# Altium PCB pcb.PcbDoc (part 2 of 4) (continued)
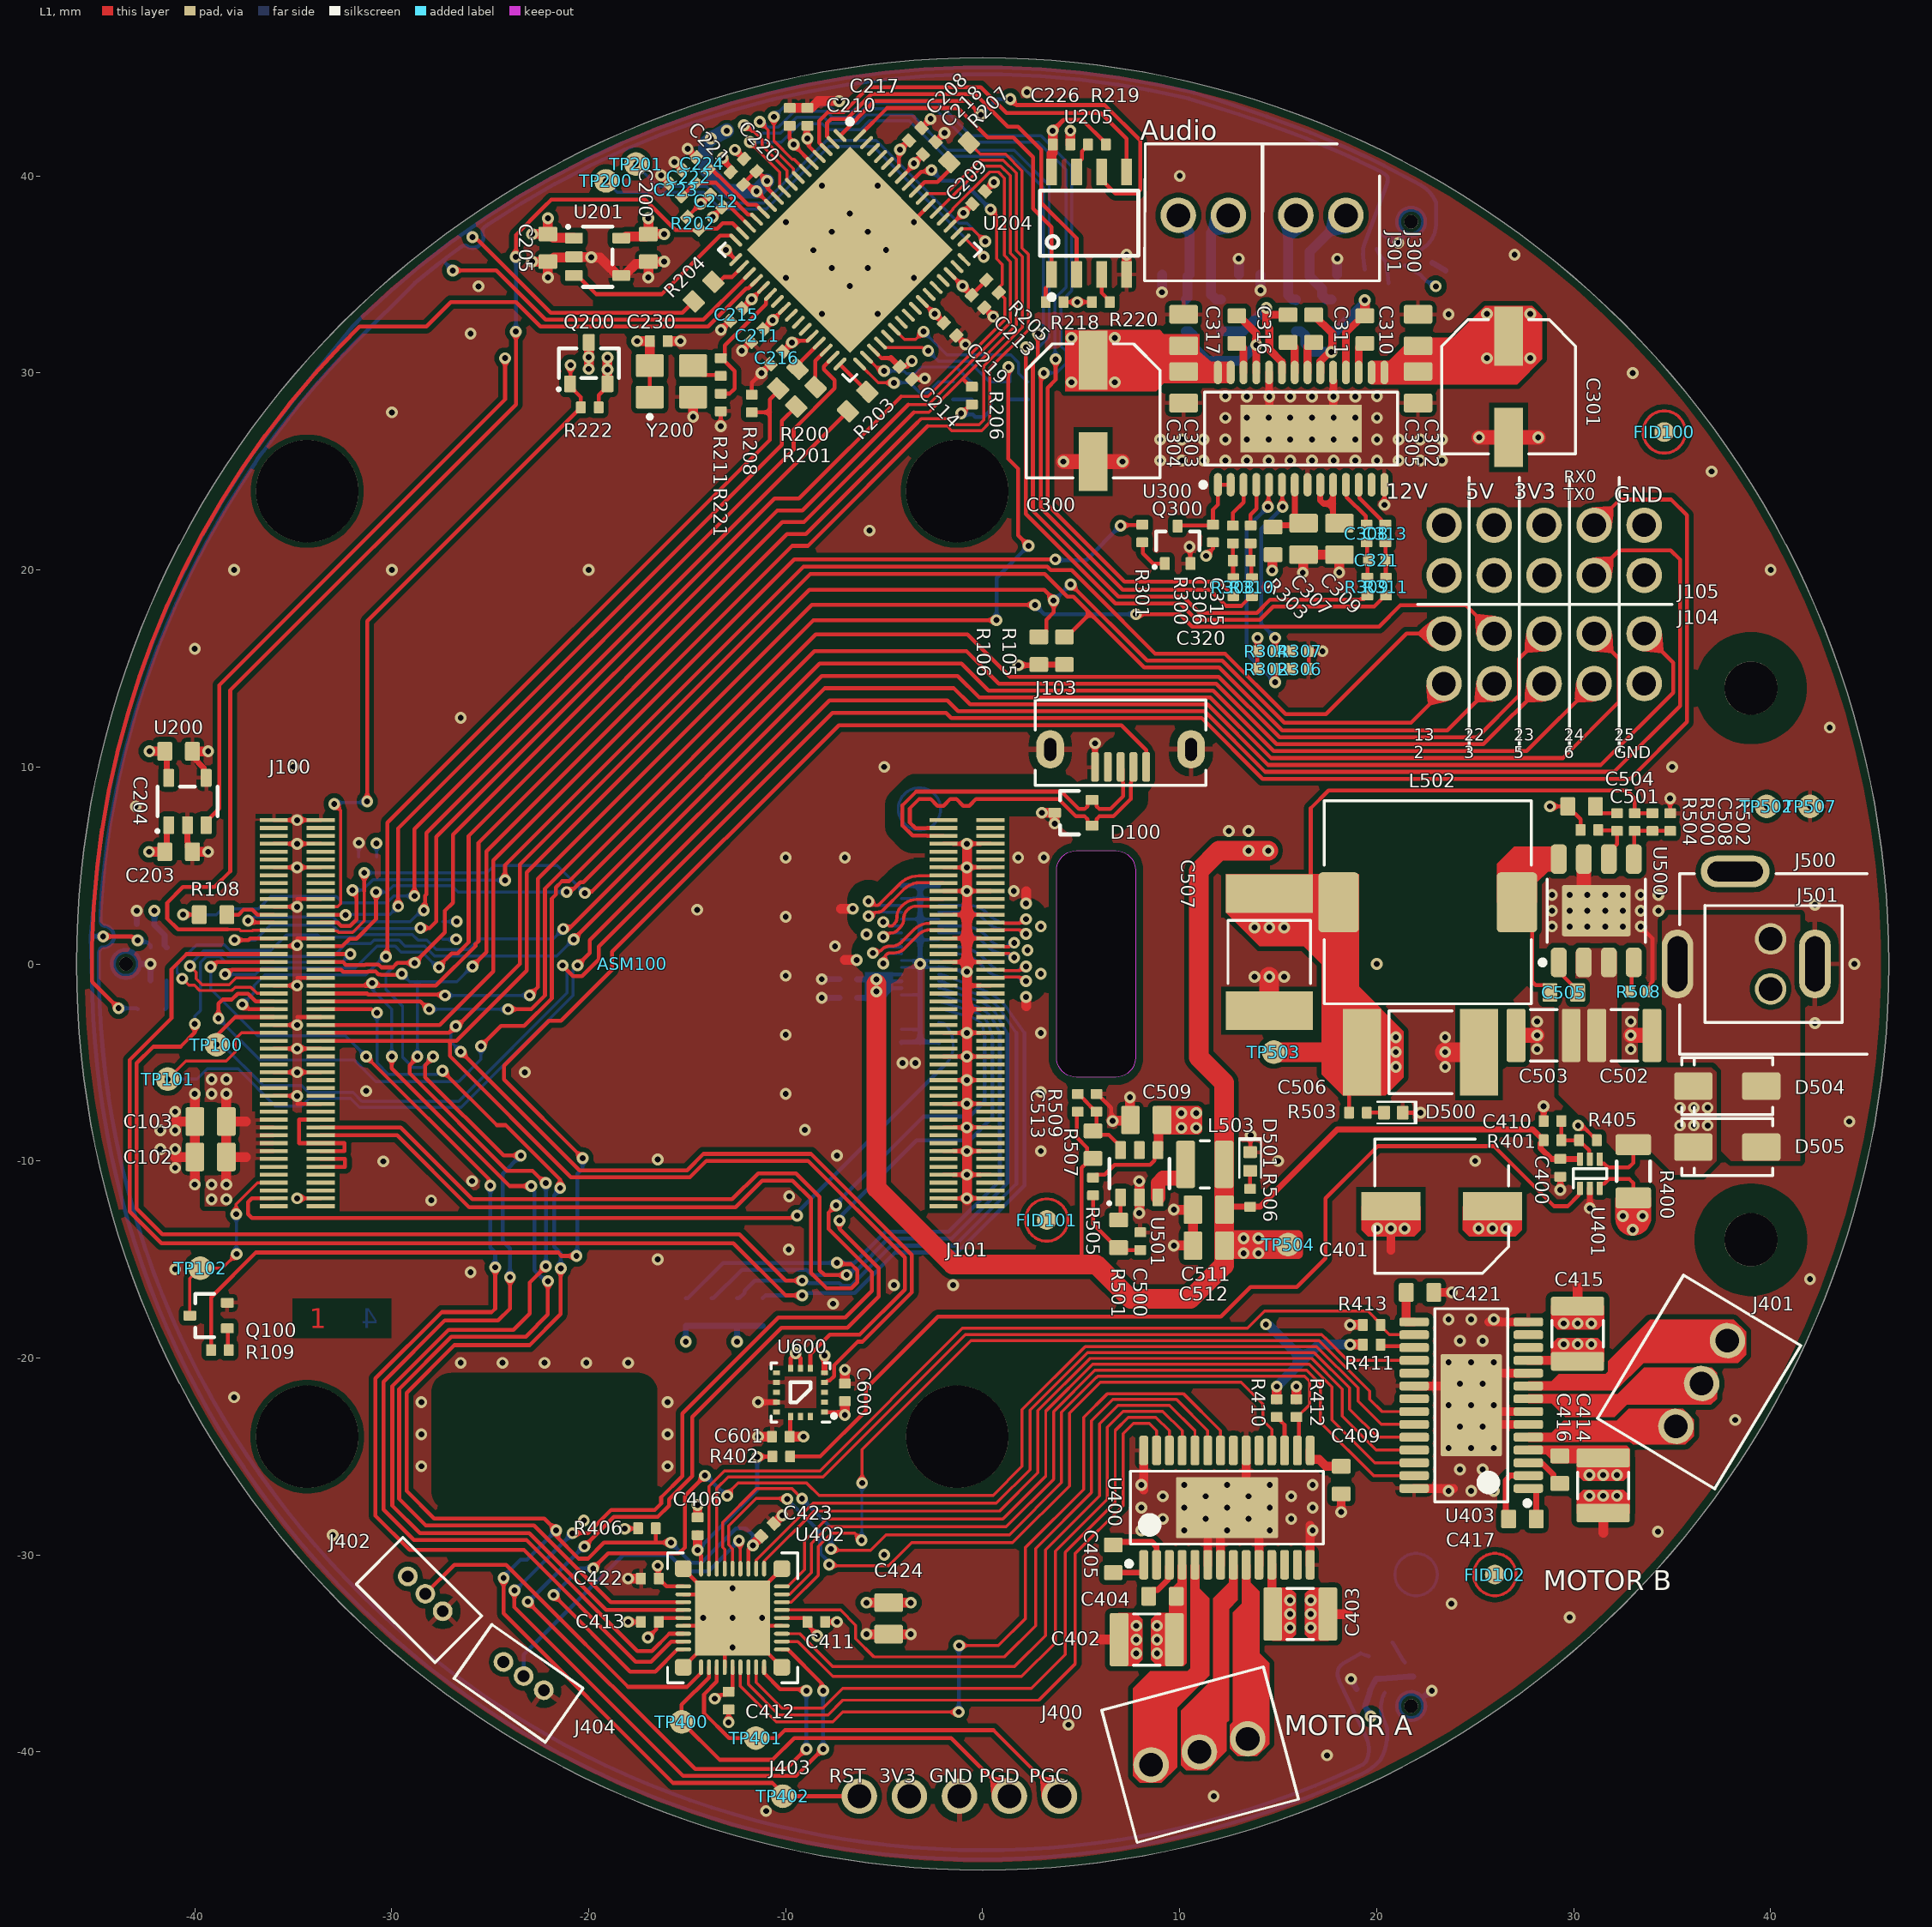
[diagram p0: L1 view]
## Nets (pads, with @x,y where several pads share a name; then routed paths per layer and width w, separated by ;. In a path a pad name is that pad's centre, name@x,y a point inside that pad or via, vN(x,y) a via of type N, cw(c..) or ccw(c..) an arc to the next point about the centre after c; other vN are vias at no path point) (continued)
AUDIO_DSP_I2S1_DI: R108.1 U204.31 | length 49.8
  L1 w0.2: v1(-40.6,2.5) R108.1@-39.775,2.5 ; v1(-28.85,3.45) -28.85,6.853 -9.6,26.103 -9.6,27.139 -7.524,29.214 -7.524,29.641 -8.059,30.176 -8.059,30.341 U204.31@-7.595,30.805
  L4 w0.15: v1(-40.6,2.5) -38.907,2.5 -38.607,2.8 -36.765,2.8 -36.14,3.425 -32.826,3.425 -32.501,3.1 -30.242,3.1 -29.892,3.45 v1(-28.85,3.45)
AUDIO_DSP_IO0: R209.1 U204.33 | length 5.6
  L1 w0.15: U204.33@-6.251,30.452 -5.3,29.5 v1(-4.5,29.5)
  L4 w0.15: v1(-4.5,29.5) -3.7,29.5 -3.201,29.001 -2.799,29.001 -2.25,29.55 R209.1@-1.501,29.55
AUDIO_DSP_IO1: R214.1 U204.34 | length 6.2
  L1 w0.15: U204.34@-5.898,30.805 -5.278,30.185 -5.088,30.185 v1(-5.002,30.099)
  L4 w0.15: v1(-5.002,30.099) -3.999,30.099 -3.857,29.957 -3.443,29.957 -3.1,30.3 -1.35,30.3 -0.6,29.55 R214.1@-0.55,29.55
AUDIO_DSP_IO4: R217.1 U204.38 | length 8.5
  L1 w0.15: U204.38@-4.484,32.219 -3.964,31.7 -3.4,31.7 v1(-3,32.1)
  L4 w0.15: v1(-3,32.1) -1.817,30.917 1.426,30.917 1.825,30.517 1.825,29.976 2.251,29.55 R217.1@2.301,29.55
AUDIO_DSP_PDM_CLK: MIC200.4 MIC201.4 MIC202.4 R204.1 | length 211.6
  L1 w0.2: v1(-44.656,1.394) -43.202,1.394 -43.008,1.2 v1(-42.9,1.2) ; v1(-25.9,36.9) -25.792,36.9 -25.628,36.737 -25.615,36.737 -21.928,33.05 -15.25,33.05 R204.1@-14.666,33.634
  L4 w0.2: v1(-44.656,1.394) -45.286,1.4 ; v1(-42.9,1.2) -42.792,1.2 -42.691,1.1 -42.409,1.1 -42.248,0.939 MIC201.4@-42.248,0.837 ; -30.003,34.221 ccw(c-29.81,33.991) -30.012,34.213 -31.467,32.88 ccw(c-31.264,32.659) -31.475,32.871 -31.97,32.377 ccw(c-31.757,32.166) -31.987,32.358 ccw(c73.03,-55.205) -36.081,27.201 -36.972,26.021 ccw(c-34.3,24) -37.057,25.903 -37.325,25.515 -38.141,24.233 ccw(c0.038,-0.078) -45.026,4.161 -45.286,1.4 ; -30.002,34.221 -28.491,35.489 cw(c-28.298,35.259) -28.481,35.497 -26.916,36.698 cw(c-26.734,36.46) -26.906,36.706 -26.176,37.217 -25.29,37.837 cw(c-25.118,37.591) -25.279,37.845 -23.618,38.903 cw(c-23.456,38.65) -23.612,38.906 -23.607,38.909 cw(c-23.452,38.653) -23.602,38.912 -21.895,39.898 cw(c-21.746,39.638) -21.884,39.904 -20.135,40.814 cw(c-19.996,40.548) -20.123,40.82 -18.335,41.654 cw(c-18.208,41.382) -18.323,41.659 -16.743,42.314 -16.495,42.416 -14.629,43.096 -12.735,43.693 -10.817,44.207 -9.994,44.389 -8.879,44.636 -6.923,44.981 -4.955,45.24 -4.948,45.241 -2.977,45.413 -0.993,45.5 0.993,45.5 2.977,45.413 4.955,45.24 6.923,44.981 8.473,44.708 8.879,44.636 10.687,44.235 cw(c-17.617,-48.646) 10.698,44.232 cw(c-17.617,-48.646) 15.663,42.571 cw(c0,0) 20.368,40.531 cw(c19.702,39.211) 20.397,40.516 22.25,39.529 cw(c21.397,38.018) 22.929,38.833 22.931,38.829 ; -26.171,37.21 -25.9,36.939 v1(-25.9,36.9) ; MIC202.4@20.399,-37.006 20.332,-37.161 ccw(c21.698,-37.749) 20.4,-38.473 ; 20.401,-38.474 cw(c19.477,-38.998) 20.528,-38.847 20.529,-38.858 cw(c17.95,-39.107) 20.187,-40.414 cw(c17.991,-38.463) 18.969,-41.233 18.968,-41.234 ccw(c19.069,-41.516) 18.943,-41.244 cw(c-0.109,-0.357) -45.198,-1.653 -45.198,-1.652 ccw(c-45.498,-1.657) -45.198,-1.649 -45.286,1.4 ; MIC200.4@21.846,36.171 22.154,36.179 22.451,36.405 ccw(c21.587,37.54) 23.013,37.527 23.023,38.603 ccw(c22.824,38.606) 22.999,38.702 22.932,38.828
AUDIO_DSP_PDM_IN1: R210.2 R213.2 U204.19 | length 213.7
  L1 w0.2: v1(-26.9,35.2) -24.7,35.2 -22.2,32.7 -14.186,32.7 -12.209,34.677 U204.19@-11.838,35.048
  L4 w0.2: -44.581,1.938 ccw(c-44.656,1.394) -44.599,1.941 cw(c-44.576,2.139) -44.767,2.082 cw(c-44.13,2.27) -44.795,2.27 -44.795,2.6 cw(c0.038,-0.078) -36.975,25.361 ccw(c-37.14,25.474) -36.962,25.383 -36.961,25.386 cw(c-34.3,24) -36.507,26.032 ; -44.58,1.938 cw(c-44.59,1.739) -44.523,1.927 cw(c-44.656,1.394) -44.129,1.551 cw(c-44.656,1.394) -44.705,0.846 ccw(c-44.63,0.66) -44.808,0.753 ccw(c-44.281,0.481) -44.874,0.481 -44.874,0.238 ccw(c0.038,-0.078) 19.019,-40.784 19.3,-40.642 ccw(c19.21,-40.463) 19.335,-40.619 ccw(c18.749,-39.893) 19.441,-40.519 ccw(c19.292,-40.386) 19.472,-40.472 ccw(c18.219,-39.872) 19.472,-39.271 18.095,-36.382 18.095,-36.381 cw(c18.835,-36.029) 18.027,-35.885 cw(c18.552,-35.982) 18.28,-35.524 19.189,-34.999 R213.2@19.594,-35.15 ; -36.491,26.051 cw(c0.038,-0.078) -31.721,31.679 cw(c0.038,-0.078) -31.719,31.681 -28.859,34.541 -27.7,35.478 cw(c0,0) -27.405,35.707 ; v1(-26.9,35.2) -27.405,35.705 -27.405,35.707 ; -24.953,37.637 -25.085,37.553 ccw(c-24.923,37.3) -25.095,37.546 -25.272,37.422 ccw(c-25.101,37.176) -25.4,37.2 ccw(c-25.1,37.188) -25.383,37.088 cw(c-25.9,36.9) -25.661,36.405 cw(c-25.9,36.9) -26.202,36.441 ccw(c-26.312,36.273) -26.427,36.436 -27.092,35.945 ccw(c0,0) -27.405,35.707 ; -24.953,37.637 -24.655,37.827 -23.434,38.605 cw(c-23.273,38.352) -23.423,38.612 -23.099,38.798 -22.214,39.309 ; -22.213,39.31 -21.728,39.59 cw(c-21.578,39.331) -21.716,39.597 -19.981,40.5 cw(c-19.841,40.234) -19.968,40.506 -18.194,41.333 cw(c-18.067,41.061) -18.182,41.339 -16.609,41.99 -16.374,42.088 cw(c-16.259,41.811) -16.362,42.092 -14.523,42.762 cw(c-14.42,42.48) -14.51,42.766 -12.644,43.355 cw(c-12.554,43.068) -12.631,43.358 -10.74,43.865 cw(c-10.663,43.575) -10.728,43.868 -10.654,43.884 -8.817,44.292 cw(c-8.752,43.999) -8.804,44.294 -6.876,44.634 cw(c-6.824,44.339) -6.863,44.636 -4.91,44.893 -2.954,45.064 -0.985,45.15 0.985,45.15 2.954,45.064 4.916,44.892 4.923,44.891 6.864,44.636 cw(c6.824,44.339) 6.876,44.634 8.413,44.363 8.804,44.294 cw(c8.752,43.999) 8.817,44.292 10.455,43.928 cw(c10.391,43.635) 10.457,43.928 10.466,43.926 cw(c-15.432,-42.657) 10.477,43.923 cw(c-15.432,-42.657) 15.543,42.242 cw(c0,0) 19.918,40.364 cw(c0,0) 20.209,40.219 cw(c19.702,39.211) 20.497,40.012 cw(c20.356,39.87) 20.554,39.9 cw(c19.924,39.806) 20.518,39.576 ; 19.313,36.192 ccw(c21.076,36.056) 19.345,35.694 R210.2@19.394,35.25 ; 19.313,36.193 ccw(c19.113,36.208) 19.312,36.232 cw(c19.612,36.271) 19.336,36.393 ccw(c19.152,36.474) 19.348,36.431 cw(c21.076,36.056) 19.422,36.682 ccw(c19.236,36.754) 19.423,36.683 20.518,39.576
AUDIO_DSP_PDM_IN2: R212.2 U204.20 | length 62
  L1 w0.2: v1(-43.87,-2.249) -45.17,-0.949 cw(c-45.028,-0.808) -45.228,-0.808 -45.228,0.898 cw(c-45.028,0.898) -45.228,0.907 -45.142,2.882 cw(c-44.942,2.873) -45.142,2.89 -44.969,4.86 cw(c-44.77,4.842) -44.968,4.867 -44.71,6.828 cw(c-44.512,6.802) -44.709,6.837 -44.366,8.784 cw(c-44.169,8.749) -44.364,8.792 -43.941,10.7 -43.929,10.75 -43.422,12.641 cw(c-43.229,12.589) -43.42,12.648 -42.825,14.535 cw(c-42.635,14.474) -42.822,14.543 -42.146,16.401 cw(c-41.958,16.332) -42.144,16.408 -41.386,18.235 cw(c-41.202,18.158) -41.384,18.242 -40.548,20.035 cw(c-40.366,19.95) -40.544,20.042 -39.631,21.796 cw(c-39.454,21.703) -39.627,21.803 -38.638,23.516 cw(c-38.465,23.415) -38.634,23.522 -37.572,25.19 cw(c-37.403,25.082) -37.567,25.198 -36.433,26.817 cw(c-36.269,26.702) -36.428,26.823 -35.224,28.393 cw(c-35.066,28.27) -35.219,28.398 -33.948,29.914 cw(c-33.795,29.785) -33.943,29.92 -32.607,31.378 cw(c-32.459,31.242) -32.601,31.384 -31.635,32.35 -28.25,32.35 -27,33.6 -23.7,33.6 -22.45,32.35 -13.95,32.35 -12.01,34.29 -11.889,34.29 U204.20@-11.484,34.694
  L4 w0.2: v1(-43.87,-2.249) -42.951,-2.249 R212.2@-42.9,-2.3
AUDIO_MEM_CLK: U204.1 U205.6 | length 22.7
  L1 w0.2: U204.1@-7.241,42.048 -5.49,43.8 -0.8,43.8 v1(-0.1,43.1) ; v1(1.4,43.9) 1.7,43.6 6.2,43.6 8,41.8 8,39.3 7.8,39.1 6.735,39.1 6.035,39.8 U205.6@6.035,40.2
  L4 w0.2: v1(-0.1,43.1) 0.7,43.9 v1(1.4,43.9)
AUDIO_MEM_MISO: U204.2 U205.2 | length 20.8
  L1 w0.2: U204.2@-7.595,41.695 -7.9,42 -7.9,42.7 -7.7,42.9 -6.9,42.9 -5.65,44.15 -0.372,44.15 1.278,42.5 1.8,42.5 2.97,41.33 2.97,38.63 4.765,36.835 U205.2@4.765,35
AUDIO_MEM_MOSI: U204.3 U205.5 | length 20.7
  L1 w0.2: U204.3@-7.949,41.341 -8.3,41.693 -8.3,42.795 -7.845,43.25 -7.045,43.25 -5.795,44.5 -0.1,44.5 1.2,43.2 6,43.2 7.305,41.895 U205.5@7.305,40.2
CAM0_CLK_N: J101.40 J102.15 | length 6.8
  L1 w0.159: J101.40@0.39,-0.3 0.411,-0.321 1.067,-0.321 1.077,-0.331 1.886,-0.331 2.092,-0.125 v1(2.2,-0.125)
  L4 w0.159: J102.15@-2.225,0.875 -2.22,0.87 -1.369,0.87 cw(c-1.369,-1.183) 0.082,0.268 0.4,-0.05 ccw(c1.077,0.627) 1.077,-0.331 1.704,-0.331 ccw(c1.704,0.11) 2.015,-0.201 cw(c2.2,-0.386) v1(2.2,-0.125)
CAM0_CLK_P: J101.42 J102.17 | length 6.8
  L1 w0.159: J101.42@0.39,-0.7 0.411,-0.68 1.067,-0.68 1.077,-0.67 1.886,-0.67 2.092,-0.875 v1(2.2,-0.875)
  L4 w0.159: J102.17@-2.225,0.525 -2.22,0.531 -1.44,0.531 cw(c-1.44,-1.352) -0.109,-0.021 0.161,-0.291 ccw(c1.076,0.623) 1.076,-0.67 1.704,-0.67 cw(c1.704,-1.11) 2.015,-0.799 ccw(c2.2,-0.614) v1(2.2,-0.875)
CAM0_D0_N: J101.28 J102.3 | length 6.7
  L1 w0.159: J101.28@0.39,2.1 0.411,2.08 1.067,2.08 1.077,2.07 1.886,2.07 2.092,2.275 v1(2.2,2.275)
  L4 w0.159: J102.3@-2.225,2.975 -2.22,2.969 -0.665,2.969 cw(c-0.665,1.762) 0.188,2.616 0.328,2.477 ccw(c1.311,3.459) 1.311,2.07 1.741,2.07 ccw(c1.741,2.42) 1.989,2.172 2.015,2.199 cw(c2.2,2.014) v1(2.2,2.275)
CAM0_D0_P: J101.30 J102.5 | length 6.7
  L1 w0.159: J101.30@0.39,1.7 0.411,1.721 1.067,1.721 1.077,1.731 1.886,1.731 2.092,1.525 v1(2.2,1.525)
  L4 w0.159: J102.5@-2.225,2.625 -2.22,2.631 -0.667,2.631 cw(c-0.667,1.758) -0.05,2.375 0.138,2.187 ccw(c1.24,3.29) 1.24,1.731 1.741,1.731 cw(c1.741,1.38) 1.989,1.628 2.015,1.601 ccw(c2.2,1.786) v1(2.2,1.525)
CAM0_D1_N: J101.34 J102.9 | length 5.5
  L1 w0.159: J101.34@0.39,0.9 0.411,0.88 1.067,0.88 1.077,0.87 1.344,0.87 1.549,1.075 v1(1.6,1.075)
  L4 w0.159: J102.9@-2.225,1.925 -2.22,1.92 -0.987,1.92 cw(c-0.987,0.308) 0.152,1.448 0.466,1.134 ccw(c1.104,1.771) 1.104,0.87 ccw(c1.104,1.31) 1.415,0.999 cw(c1.6,0.814) v1(1.6,1.075)
CAM0_D1_P: J101.36 J102.11 | length 5.5
  L1 w0.159: J101.36@0.39,0.5 0.411,0.521 1.067,0.521 1.077,0.531 1.344,0.531 1.549,0.325 v1(1.6,0.325)
  L4 w0.159: J102.11@-2.225,1.575 -2.22,1.581 -1.127,1.581 cw(c-1.127,-0.031) 0.012,1.109 0.228,0.892 ccw(c1.102,1.765) 1.102,0.531 1.104,0.531 cw(c1.104,0.09) 1.415,0.401 ccw(c1.6,0.586) v1(1.6,0.325)
CAM1_CLK_N: J101.27 J102.16 | length 5.6
  L1 w0.159: v1(-5.58,0.555) cw(c-5.396,0.371) -5.396,0.632 -5.359,0.632 ccw(c-5.359,0.983) -5.11,0.735 -5.079,0.766 cw(c-4.754,0.441) -4.981,0.841 cw(c-4.903,0.702) -4.937,0.858 ccw(c-5.05,1.375) -4.845,0.887 cw(c-4.782,0.741) -4.798,0.899 cw(c-4.754,0.441) -4.754,0.901 -4.636,0.901 ccw(c-4.636,1.644) -4.111,1.119 -3.491,1.738 cw(c-2.692,0.939) -2.692,2.07 ccw(c-2.691,2.104) -2.666,2.08 -2.039,2.08 ccw(c-2.039,2.15) J101.27@-1.99,2.1
  L4 w0.159: v1(-5.58,0.555) cw(c-5.396,0.371) -5.396,0.632 -5.359,0.632 ccw(c-5.359,0.983) -5.11,0.735 -5.094,0.751 cw(c-4.807,0.464) -4.807,0.87 -4.13,0.87 J102.16@-4.125,0.875
CAM1_CLK_P: J101.29 J102.18 | length 5.1
  L1 w0.159: v1(-5.05,0.025) ccw(c-5.235,0.21) -4.974,0.21 -4.974,0.272 cw(c-4.684,0.272) -4.889,0.477 cw(c-4.684,0.272) -4.684,0.562 -4.496,0.562 ccw(c-4.496,1.305) -3.97,0.78 -3.252,1.498 cw(c-2.691,0.937) -2.691,1.731 cw(c-2.691,1.696) -2.666,1.721 -2.039,1.721 cw(c-2.039,1.651) J101.29@-1.99,1.7
  L4 w0.159: v1(-5.05,0.025) ccw(c-5.235,0.21) -4.974,0.21 -4.974,0.294 cw(c-4.737,0.294) -4.904,0.461 cw(c-4.737,0.294) -4.737,0.531 -4.131,0.531 J102.18@-4.125,0.525
CAM1_D0_N: J101.15 J102.4 | length 6.2
  L1 w0.159: v1(-5.8,3.175) cw(c-5.8,2.914) -5.615,3.099 v1@-5.55,3.033 ; v1@-5.55,3.033 ccw(c-5.396,3.188) -5.396,2.969 ccw(c-5.396,3.188) -5.242,3.033 ; -5.242,3.033 -4.205,4.07 cw(c-3.241,3.107) -3.241,4.47 -2.676,4.47 cw(c-2.652,4.445) -2.652,4.48 -2.039,4.48 ccw(c-2.039,4.55) J101.15@-1.99,4.5
  L4 w0.159: v1(-5.8,3.175) cw(c-5.8,2.914) -5.615,3.099 -5.589,3.072 ccw(c-5.341,3.32) -5.341,2.969 -5.139,2.969 ccw(c-5.14,3.128) -5.126,2.97 cw(c-5.05,2.125) -4.974,2.97 ccw(c-4.96,3.128) -4.961,2.969 -4.131,2.969 J102.4@-4.125,2.975
CAM1_D0_P: J101.17 J102.6 | length 6.2
  L1 w0.159: v1(-5.8,2.425) ccw(c-5.8,2.686) -5.615,2.501 -5.6,2.517 cw(c-5.326,2.243) -5.326,2.631 ccw(c-5.326,3.018) -5.051,2.744 -4.015,3.781 cw(c-3.171,2.937) -3.171,4.131 -2.676,4.131 ccw(c-2.652,4.155) -2.652,4.121 -2.039,4.121 cw(c-2.039,4.051) J101.17@-1.99,4.1
  L4 w0.159: v1(-5.8,2.425) ccw(c-5.8,2.686) -5.615,2.501 -5.589,2.528 cw(c-5.341,2.28) -5.341,2.631 -5.208,2.631 cw(c-5.05,2.125) -4.892,2.631 -4.131,2.631 J102.6@-4.125,2.625
CAM1_D1_N: J101.21 J102.10 | length 4.9
  L1 w0.159: v1(-5.05,2.125) -4.783,1.966 ccw(c-4.671,2.078) -4.671,1.92 ccw(c-4.671,2.078) -4.558,1.966 -4.478,2.046 ccw(c-4.783,2.35) -4.353,2.35 -4.353,2.429 cw(c-3.73,2.429) -4.17,2.869 -4.061,2.979 cw(c-3.36,2.278) -3.36,3.27 -2.691,3.27 ccw(c-2.691,3.304) -2.666,3.28 -2.039,3.28 ccw(c-2.039,3.35) J101.21@-1.99,3.3
  L4 w0.159: v1(-5.05,2.125) -4.778,1.972 ccw(c-4.65,2.101) -4.65,1.92 -4.13,1.92 J102.10@-4.125,1.925
CAM1_D1_P: J101.23 J102.12 | length 4.9
  L1 w0.159: v1(-5.05,1.375) ccw(c-5.05,1.636) -4.865,1.451 -4.833,1.484 cw(c-4.6,1.252) -4.6,1.581 ccw(c-4.6,1.909) -4.368,1.677 -4.196,1.849 ccw(c-4.636,2.289) -4.014,2.289 cw(c-3.391,2.289) -3.831,2.729 -3.822,2.739 cw(c-3.358,2.275) -3.358,2.931 -2.691,2.931 cw(c-2.691,2.896) -2.666,2.921 -2.039,2.921 cw(c-2.039,2.851) J101.23@-1.99,2.9
  L4 w0.159: v1(-5.05,1.375) ccw(c-5.05,1.663) -4.846,1.459 -4.778,1.527 cw(c-4.65,1.399) -4.65,1.581 -4.131,1.581 J102.12@-4.125,1.575
CAM1_D2_N: J101.33
CAM1_D2_P: J101.35
CAM1_D3_N: J101.39
CAM1_D3_P: J101.41
CAMERA_GPIO: J100.97 J102.37 | length 43.4
  L1 w0.2: J100.97@-35.99,-11.9 -37.1,-11.9 -37.3,-12.1 -37.3,-12.7 -37.1,-12.9 -9.742,-12.9 -9.694,-12.852 -9.502,-12.852 v1(-9.425,-12.775)
  L4 w0.15: J102.37@-2.225,-2.975 -2.1,-2.99 -1.987,-3.016 cw(c-2.043,-3.253) -1.833,-3.131 -1.615,-3.505 cw(c-2.098,-3.785) -1.542,-3.734 -1.502,-4.157 cw(c-1.95,-4.2) -1.5,-4.2 cw(c-2.707,-4.2) -1.854,-5.054 -1.9,-5.1
  L4 w0.2: v1(-9.425,-12.775) -9.425,-12.667 -9.276,-12.517 -9.276,-12.476 -1.9,-5.1
CM4_1V8: J100.88 J100.90 | length 2.9
  L1 w0.2: J100.90@-33.61,-10.3 -32.375,-10.3 -32.375,-9.9 J100.88@-33.61,-9.9
CM4_3V3: J100.78 J100.84 J100.86 | length 6.2
  L1 w0.2: J100.86@-33.61,-9.5 -32.4,-9.5 -32.4,-9.1 J100.84@-33.61,-9.1 -34.7,-9.1 -34.7,-7.9 J100.78@-33.61,-7.9
DSI0_CLK_N: J101.69
DSI0_CLK_P: J101.71
DSI0_D0_N: J101.57
DSI0_D0_P: J101.59
DSI0_D1_N: J101.63
DSI0_D1_P: J101.65
DSI1_CLK_N: J101.87
DSI1_CLK_P: J101.89
DSI1_D0_N: J101.75
DSI1_D0_P: J101.77
DSI1_D1_N: J101.81
DSI1_D1_P: J101.83
DSI1_D2_N: J101.93
DSI1_D2_P: J101.95
DSI1_D3_N: J101.94
DSI1_D3_P: J101.96
ETH0_PAIR0_N: J100.10
ETH0_PAIR0_P: J100.12
ETH0_PAIR1_N: J100.6
ETH0_PAIR1_P: J100.4
ETH0_PAIR2_N: J100.9
ETH0_PAIR2_P: J100.11
ETH0_PAIR3_N: J100.5
ETH0_PAIR3_P: J100.3
ETH0_SYNC_IN: J100.16
ETH0_SYNC_OUT: J100.18
G2/I2C3_SDA: J100.58 J104.1 R106.1 U600.6 | length 113.3
  L1 w0.2: J100.58@-33.61,-3.9 -27.1,-3.9 ; -26.728,-3.9 -27.1,-3.9 ; -26.714,-3.9 -23.15,-0.336 -23.15,4.65 -8.8,19 3.125,19 3.6,18.525 v1(3.6,18.45) 3.6,17.85 3.225,17.475 3.225,16.875 2.95,16.6 R106.1@2.85,16.6 ; U600.6@-8.75,-20.525 -8.75,-19.822 -7.753,-18.825 -6.247,-18.825 -3.95,-16.528 -3.95,-14.906 -8.862,-9.993 -14.035,-9.993 -14.867,-10.825 -20.903,-10.825 -27.05,-4.678 -27.05,-3.95 -27.1,-3.9 ; v1(4.464,19.264) 4.481,19.264 8.345,15.4 12.156,15.4 15.306,12.25 21.745,12.25 J104.1@23.534,14.039
  L4 w0.2: v1(3.6,18.45) 3.625,18.45 4.439,19.264 v1(4.464,19.264)
G3/I2C3_SCL: J100.56 J104.3 R105.1 U600.4 | length 116.3
  L1 w0.2: J100.56@-33.61,-3.5 -27.092,-3.5 v1(-26.746,-3.154) ; v1@-26.725,-3.175 -26.675,-3.175 -23.5,0 -23.5,5.05 -8.75,19.8 3.15,19.8 4.3,18.65 4.6,18.65 5.45,17.8 ; v1(-26.5,-4.45) -20.475,-10.475 -15.012,-10.475 -14.18,-9.643 -8.717,-9.643 -3.6,-14.761 -3.6,-16.673 -6.102,-19.175 -6.353,-19.175 -7.55,-20.372 -7.55,-20.929 -7.771,-21.15 -7.875,-21.15 -7.95,-21.225 -8,-21.225 U600.4@-8.025,-21.25 ; R105.1@4.15,16.6 4.25,16.6 5.45,17.8 ; J104.3@25.96,14.23 23.58,11.85 15.211,11.85 12.011,15.05 8.2,15.05 5.45,17.8
  L4 w0.15: v1(-26.746,-3.154) -26.746,-3.22 -26.996,-3.47 -26.996,-3.954 v1(-26.5,-4.45)
G4/AMP_SHD: J100.54 R301.1 | length 55.6
  L1 w0.2: J100.54@-33.61,-3.1 -27.565,-3.1 -24.85,-0.385 -24.85,5.25 -9.564,20.536 v1(3.686,20.536) ; v1(7,22.25) 7.025,22.275 8.075,22.275 R301.1@8.1,22.3
  L4 w0.2: v1(3.686,20.536) 3.723,20.5 5.25,20.5 v1(7,22.25)
G5/PIR_INT: J100.34 J104.5 | length 72.6
  L1 w0.2: J100.34@-33.61,0.9 -32.522,0.9 -32.147,1.275 -31.792,1.275 -30.8,2.267 v1(-30.8,3.65) ; v1(-21.125,3.65) -21.017,3.65 -20.87,3.796 -20.781,3.796 -20.428,4.15 -20.275,4.15 -8.55,15.875 -0.827,15.875 0.823,14.225 11.846,14.225 14.921,11.15 25.42,11.15 J104.5@28.5,14.23
  L4 w0.15: v1(-30.8,3.65) -30.248,3.65 -29.923,3.975 -26.962,3.975 -26.637,3.65 v1(-21.125,3.65)
G6/LED_DI: J100.30 J104.7 | length 76.2
  L1 w0.15: J100.30@-33.61,1.7 -33.585,1.675 -32.781,1.675 -32.708,1.602 -31.983,1.602 -31.4,2.185 -31.4,3.7
  L1 w0.2: -31.4,3.7 v1(-31.4,4.626) ; v1(-20.2,3.6) -20.123,3.677 -19.848,3.677 -8.277,15.248 -1.073,15.248 0.3,13.875 11.701,13.875 14.776,10.8 27.61,10.8 J104.7@31.04,14.23
  L4 w0.15: v1(-31.4,4.626) -25.174,4.626 -24.8,5 -21.6,5 v1(-20.2,3.6)
G9/SPI0_MISO: J100.40 R207.1 U402.13 | length 118.8
  L1 w0.15: -2.8,27.3 -1.799,27.3 -1.574,27.075 -0.058,27.075 0.35,27.483 0.35,30.23 2.311,32.191 2.311,36.024 2,36.335 2,40.267 1.162,41.104 -0.115,41.104 R207.1@-0.705,41.695
  L1 w0.2: J100.40@-33.61,-0.3 -32.573,-0.3 -32.473,-0.4 -31.22,-0.4 -31.196,-0.376 -30.821,-0.376 -30.673,-0.525 -30.575,-0.525 -30.546,-0.554 -29.554,-0.554 v1(-29.5,-0.5) ; v1(-28.7,-4.7) -28.7,-4.749 -29.1,-5.149 -29.1,-5.55 -24.15,-10.5 -22.856,-10.5 -22.231,-11.125 v1(-22.175,-11.125) ; v1(-25.9,-0.125) -25.9,-0.1 -25.2,0.6 -25.2,5.706 -9.682,21.224 -8.876,21.224 -2.8,27.3 ; v1(-22.175,-15.35) -23,-16.175 -23,-17.75 -23.825,-18.575 -27.12,-18.575 -29.975,-21.43 -29.975,-27.5 -28.575,-28.9 -23.017,-28.9 -19.117,-32.8 U402.13@-15.2,-32.8
  L4 w0.15: v1(-29.5,-0.5) -29.1,-0.9 -28.7,-0.9 ; v1(-28.7,-4.7) -28.7,-0.9 ; v1(-25.9,-0.125) -25.925,-0.125 -26.7,-0.9 -28.7,-0.9
  L4 w0.2: v1(-22.175,-15.35) v1(-22.175,-11.125)
G10/SPI0_MOSI: J100.44 U204.55 U402.12 | length 120.8
  L1 w0.15: -3.3,27.5 -3.125,27.675 -1.75,27.675 -1.45,27.375 -0.183,27.375 0.05,27.608 0.05,30.354 2.011,32.315 2.011,35.899 1.7,36.211 1.7,40.143 1.038,40.804 -0.141,40.804 -1.85,39.096 -2.817,39.096 -3.046,38.866 U204.55@-3.069,38.866
  L1 w0.2: J100.44@-33.61,-1.1 -31.24,-1.1 -31.107,-0.968 -30.891,-0.968 -30.755,-1.104 -27.763,-1.104 -25.75,0.91 -25.75,1 -25.6,1.15 -25.6,6.154 -9.93,21.824 -8.976,21.824 -3.3,27.5 ; v1(-30,-4.7) -30,-5.3 -24.025,-11.275 v1(-22.925,-11.275) ; v1(-22.075,-16.1) -22.075,-17.8 -23.2,-18.925 -26.975,-18.925 -29.625,-21.575 -29.625,-27.15 -28.275,-28.5 -22.775,-28.5 -18.875,-32.4 U402.12@-15.2,-32.4
  L4 w0.15: v1(-30.999,-0.968) -30.947,-1.02 -30.947,-1.353 -30,-2.3 v1(-30,-4.7)
  L4 w0.2: v1(-22.925,-11.275) -22.925,-11.383 -22.75,-11.558 -22.75,-15.553 -22.403,-15.9 -22.383,-15.9 -22.183,-16.1 v1(-22.075,-16.1)
G11/SPI0_SCK: J100.38 U204.52 U402.16 | length 120.4
  L1 w0.15: -3.775,28.4 -2.752,28.4 1.411,32.564 1.411,35.651 1.1,35.962 1.1,39.894 0.79,40.204 0.355,40.204 -1.509,38.341 -1.509,38.306 U204.52@-2.009,37.806
  L1 w0.2: J100.38@-33.61,0.1 -32.478,0.1 -32.328,-0.05 -31.365,-0.05 -31.341,-0.026 -30.676,-0.026 -30.528,-0.175 -29.953,-0.175 -29.728,0.05 v1(-28.845,0.05) -27.3,1.595 -27.3,2.7 -26.89,3.11 -26.89,6.561 -10.427,23.024 -9.151,23.024 -3.775,28.4 ; v1(-27.9,-4.7) -27.9,-4.749 -28.3,-5.149 -28.3,-5.75 -24.325,-9.725 v1(-23.45,-9.725) ; v1(-24,-15.9) -24,-17.5 -24.6,-18.1 -27.316,-18.1 -30.425,-21.209 -30.425,-27.7 -28.875,-29.25 -23.162,-29.25 -17.537,-34.875 -16.786,-34.875 -15.911,-34 U402.16@-15.2,-34
  L4 w0.15: v1(-28.845,0.05) -29.728,0.05 -30.3,-0.522 -30.3,-1.3 -29.45,-2.15 -29.45,-4.728 -28.928,-5.25 -28.45,-5.25 v1(-27.9,-4.7)
  L4 w0.2: v1(-24,-15.9) -24,-14.45 -24.375,-14.075 -24.375,-10.65 v1(-23.45,-9.725)
G12/DSP_IRQ: J100.31 R205.1 U204.57 | length 68.3
  L1 w0.15: -4.15,28.8 -2.777,28.8 1.111,32.688 1.111,33.789 R205.1@0.818,34.082 0.818,34.329 1,34.511 1,35.5 0.7,35.8 0.7,37.987 0.4,38.287 v1(0.4,38.3)
  L1 w0.2: v1(-37.988,1.212) -37.276,1.212 -37.188,1.3 J100.31@-35.99,1.3 ; v1(-28.55,1.825) -28.081,1.825 -27.75,2.156 -27.75,6.45 -10.576,23.624 -9.326,23.624 -4.15,28.8 ; U204.57@-3.777,39.573 -3.127,40.223 -2.677,40.223 v1(-2.6,40.3)
  L4 w0.15: v1(-37.988,1.212) -36.921,1.212 -36.158,1.975 -33.01,1.975 -32.687,1.652 -31.898,1.652 -31.75,1.8 -28.575,1.8 v1(-28.55,1.825)
  L4 w0.2: v1(-2.6,40.3) -2.05,39.75 -1.05,39.75 v1(0.4,38.3)
G13/IR_LED_PWM: J100.28 J104.2 | length 71.1
  L1 w0.2: J100.28@-33.61,2.1 -32.746,2.1 -32.573,1.927 -32.118,1.927 -31.795,2.25 -31.795,3.545 v1(-32,3.75) ; v1(-24.25,4.25) -24.25,5.025 -9.1,20.175 3.27,20.175 3.459,19.986 4.519,19.986 5.51,18.996 5.51,18.99 8.75,15.75 12.301,15.75 15.376,12.675 17.425,12.675 21.52,16.77 J104.2@23.42,16.77
  L4 w0.15: v1(-32,3.75) -31.478,3.75 -30.953,4.275 -26.837,4.275 -26.812,4.25 v1(-24.25,4.25)
G14/TX0: J100.55 J105.7 TP101.1 | length 110
  L1 w0.15: v1(-41.375,-5.85) -40.45,-4.925 -38.4,-4.925 -37.95,-4.475 -37.95,-3.825 -37.625,-3.5 J100.55@-35.99,-3.5
  L1 w0.2: v1(-20.575,-0.075) -19.942,0.558 -19.942,1.208 -7.782,13.368 -1.793,13.368 -1.25,12.825 11.266,12.825 14.341,9.75 32.05,9.75 35.4,13.1 35.4,20.525 34.925,21 32.31,21 J105.7@31.04,19.73
  L4 w0.15: v1(-41.375,-5.85) -39.892,-5.85 -39.367,-5.325 -37.799,-5.325 -35.899,-7.225 -34.583,-7.225 -34.183,-6.825 -32.092,-6.825 -31.642,-7.275 -26.476,-7.275 -20.8,-1.599 -20.8,-0.3 v1(-20.575,-0.075)
G15/RX0: J100.51 J105.8 TP100.1 | length 108.4
  L1 w0.2: v1(-38.9,-4.1) -38.9,-3.65 -37.95,-2.7 J100.51@-35.99,-2.7 ; v1(-21.325,-0.075) -21.325,-0.103 -20.803,-0.625 -20.347,-0.625 -19.5,0.222 -19.5,0.875 -7.633,12.742 -1.867,12.742 -1.6,12.475 11.121,12.475 14.196,9.4 32.87,9.4 35.75,12.28 35.75,20.67 35.75,22.775 34.95,23.575 32.345,23.575 J105.8@31.04,22.27
  L4 w0.15: v1(-38.9,-4.1) -38.6,-4.1 -36.525,-6.175 -34.583,-6.175 -34.233,-6.525 -31.967,-6.525 -31.517,-6.975 -26.6,-6.975 -21.1,-1.475 -21.1,-0.3 v1(-21.325,-0.075)
G18/PCM_CLK: J100.49 R200.2 R208.2 | length 48.2
  L1 w0.2: v1(-37.595,-2.057) -37.515,-2.057 -37.272,-2.3 J100.49@-35.99,-2.3 ; v1(-30.3,0.375) -30.225,0.45 -30.225,7.175 -10.8,26.6 -10.8,28 ; R208.2@-11.725,28 -10.8,28 ; R200.2@-10.388,29.214 -10.388,29.073 -10.8,28.661 -10.8,28
  L4 w0.15: v1(-37.595,-2.057) -36.997,-1.459 -36.997,-1.097 -36.45,-0.55 -31.324,-0.55 -30.399,0.375 v1(-30.3,0.375)
G19/PCM_FS: J100.26 R201.2 | length 37.9
  L1 w0.2: J100.26@-33.61,2.5 -32.368,2.5 v1(-32.345,2.477) ; v1(-29.675,2.925) -29.675,6.876 -10.2,26.351 -10.2,27.564 R201.2@-9.469,28.295
  L4 w0.15: v1(-32.345,2.477) -32.314,2.508 -30.092,2.508 v1(-29.675,2.925)
G20/PCM_DIN: J100.27 R203.2 | length 45.1
  L1 w0.2: v1(-37.3,2.2) -37.192,2.2 -37.092,2.1 J100.27@-35.99,2.1 ; v1(-28.375,2.725) -28.3,2.8 -28.3,3.475 -28.25,3.525 -28.25,6.65 R203.2@-6.845,28.055
  L4 w0.15: v1(-37.3,2.2) -37.178,2.2 -37.003,2.375 -32.986,2.375 -32.685,2.075 -32.563,1.952 -32.128,1.952 -32.005,2.075 -31.93,2.15 -29.658,2.15 -29.648,2.14 -29.068,2.14 -28.483,2.725 v1(-28.375,2.725)
G21/PCM_DOUT: J100.25 R108.2 | length 2.6
  L1 w0.2: R108.2@-38.375,2.5 -37.778,2.5 -37.528,2.75 -37.072,2.75 -36.822,2.5 J100.25@-35.99,2.5
G22/AUDIO_DET: J100.46 J104.4 | length 72.5
  L1 w0.2: J100.46@-33.61,-1.5 -31.245,-1.5 -31.195,-1.55 -27.35,-1.55 v1(-27.3,-1.6) ; v1(-23,-1.6) -22.575,-1.175 -22.575,4.325 -8.675,18.225 v1(2.65,18.225) ; v1(7.778,17.75) 10,17.75 10.625,17.125 20.125,17.125 21.2,18.2 24.53,18.2 J104.4@25.96,16.77
  L4 w0.15: v1(-27.3,-1.6) v1(-23,-1.6)
  L4 w0.2: v1(2.65,18.225) 3.125,17.75 v1(7.778,17.75)
G23/FILTER_CTRL: J100.47 J104.6 | length 91
  L1 w0.2: v1(-38.8,-2.767) -38.8,-2.017 -38.59,-1.807 -38.123,-1.807 -37.822,-1.507 -37.293,-1.507 -36.9,-1.9 J100.47@-35.99,-1.9 ; v1(-25.475,-4.175) -24.448,-3.148 -23.276,-3.148 -21.875,-1.748 -21.875,3.325 -21.675,3.525 -21.675,3.878 -21.353,4.2 -21,4.2 -8.475,16.725 -0.775,16.725 1.375,14.575 11.991,14.575 15.066,11.5 25.1,11.5 27.225,13.625 27.225,15.495 J104.6@28.5,16.77
  L4 w0.15: v1(-38.8,-2.767) -36.692,-4.875 -31.903,-4.875 -30.803,-5.975 -26.6,-5.975 -25.475,-4.85 v1(-25.475,-4.175)
G27/AUDIO_BOOT: J100.48 R215.1 R216.1 U204.36 | length 67.9
  L1 w0.15: U204.36@-5.191,31.512 -4.961,31.283 -3.047,31.283 -2.893,31.129 v1(-2.771,31.129)
  L1 w0.2: J100.48@-33.61,-1.9 -28.549,-1.9 -28.149,-2.3 v1(-28.1,-2.3) ; v1(-24.1,-2.3) -22.922,-2.3 -22.225,-1.603 -22.225,3.823 -8.598,17.45 v1(0.7,17.45) ; v1(1.3,30.3) 1.3,25.643 1.8,25.143 1.8,21.75 v1(2.325,21.225)
  L4 w0.15: v1(-28.1,-2.3) v1(-24.1,-2.3) ; v1(-2.771,31.129) -2.242,30.6 -0.7,30.6 0.35,29.55 R215.1@0.4,29.55 R216.1@1.35,29.55
  L4 w0.2: v1(0.7,17.45) 0.7,19.6 v1(2.325,21.225) ; v1(1.3,30.3) 1.35,30.25 R216.1@1.35,29.55
GLOBAL_EN: J100.99